# Altium PCB uSimar_PCB_V0.PcbDoc
Units mm, origin at the board's own origin, x right, y up, seen from the top; angles counter-clockwise.
Board outline 59.18 x 31.75 mm, 2 copper layers (Top Layer, Bottom Layer), stack 1.661 mm thick; 15 components, 17 nets, 126 pads, 21 vias.
Unrouted connection lines stored in the file: 2.
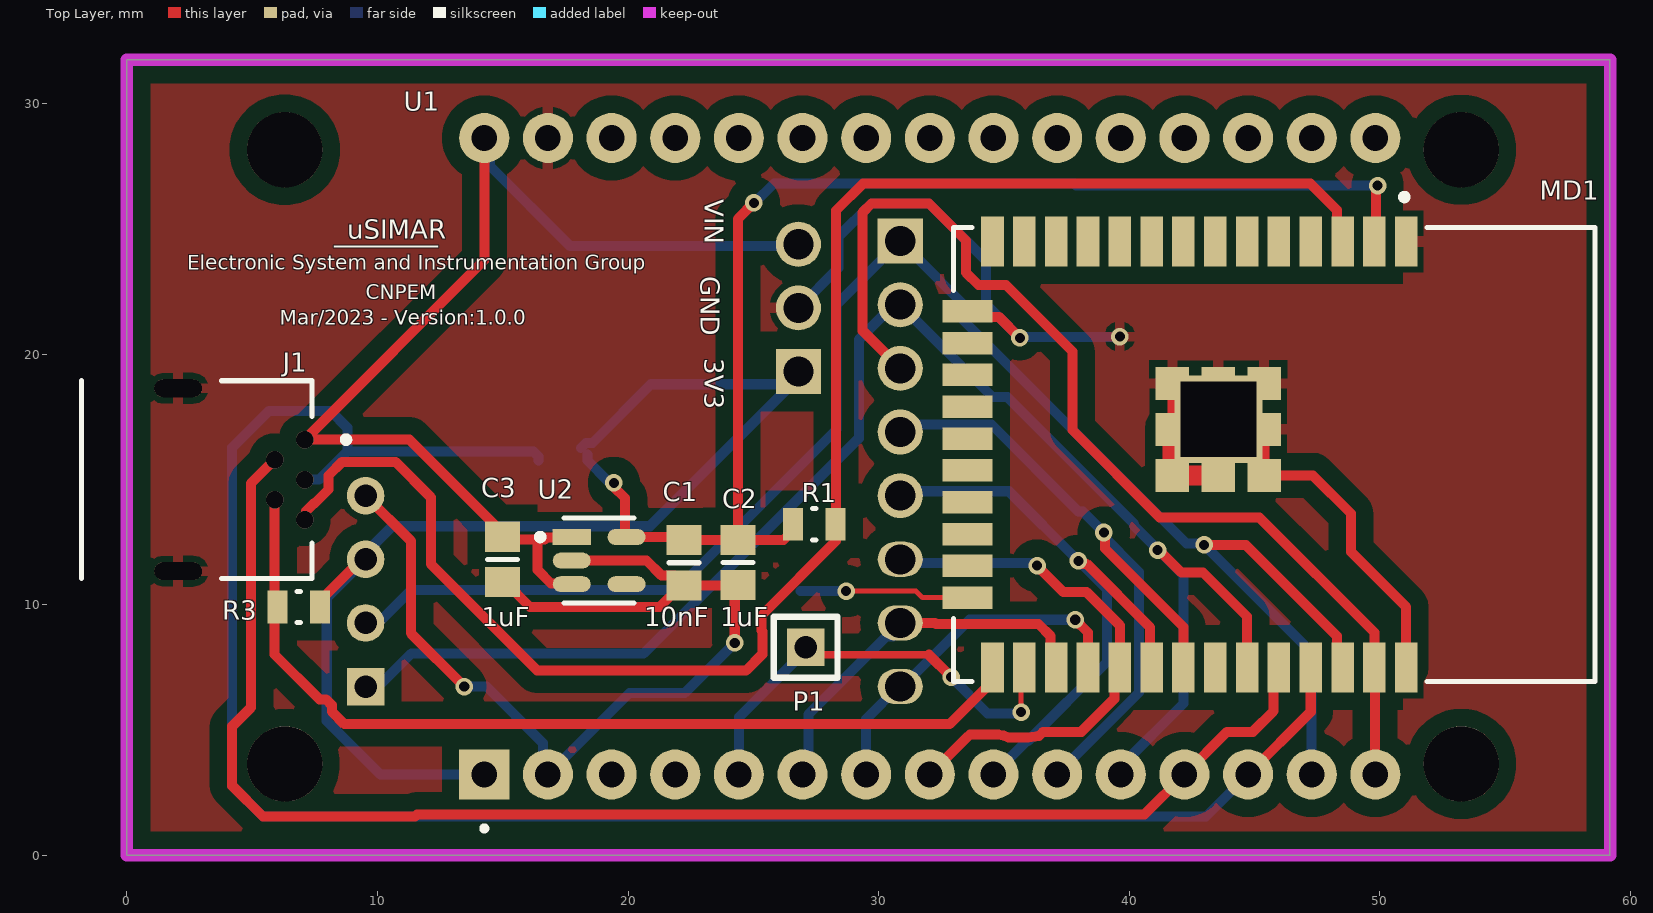
[diagram p0: Top Layer view]
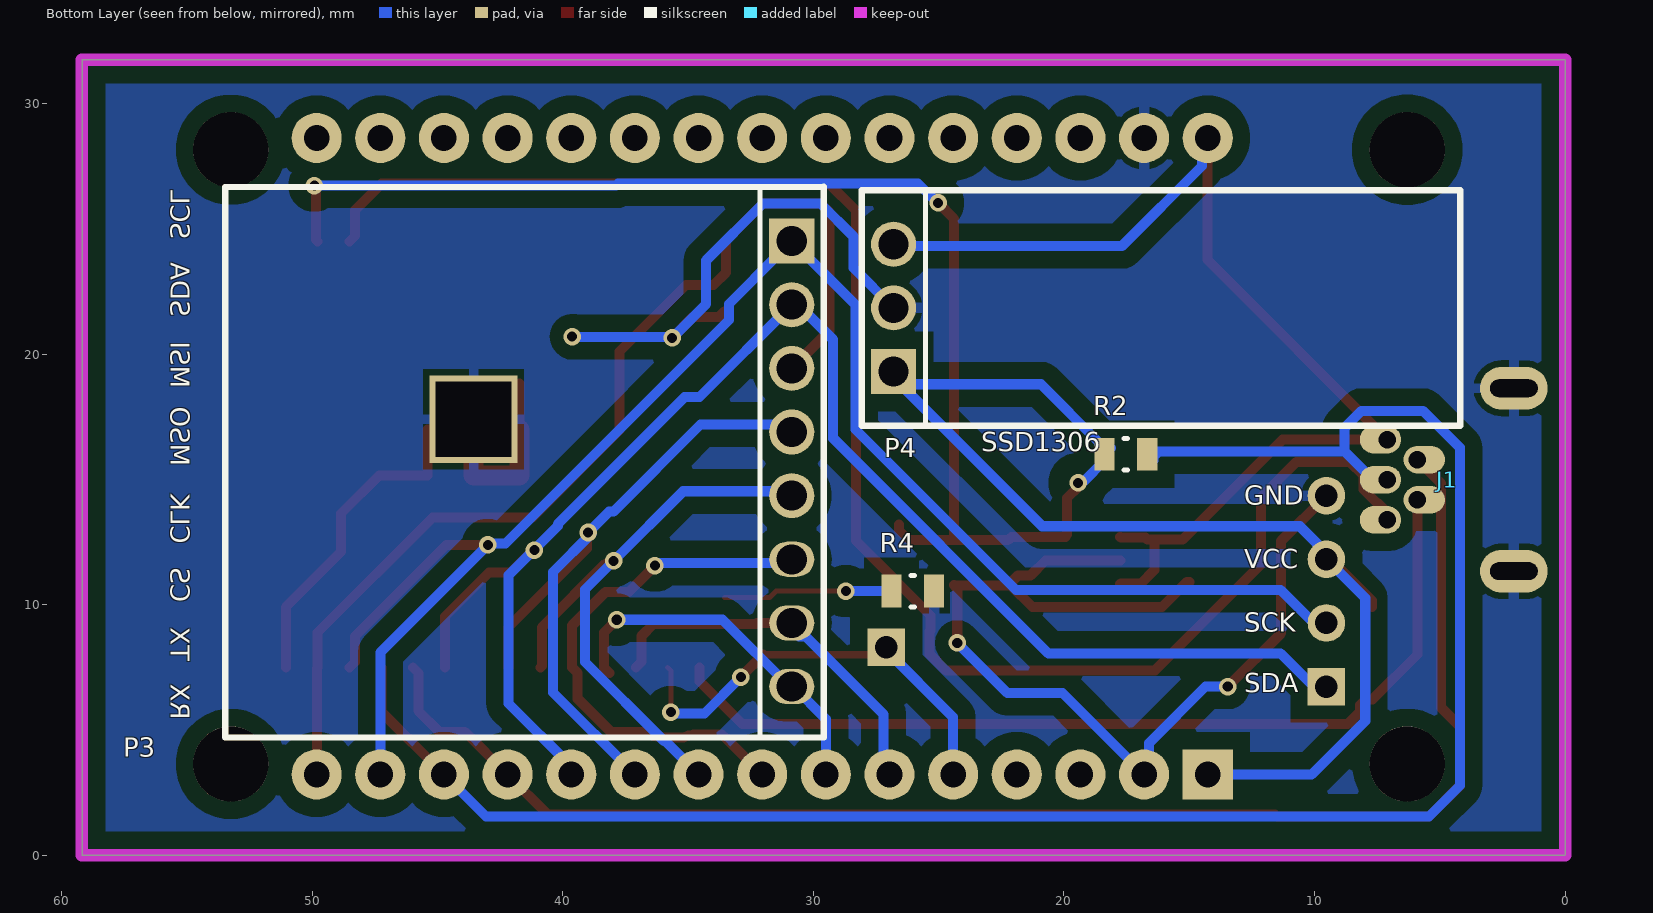
[diagram p1: Bottom Layer view, seen from below]
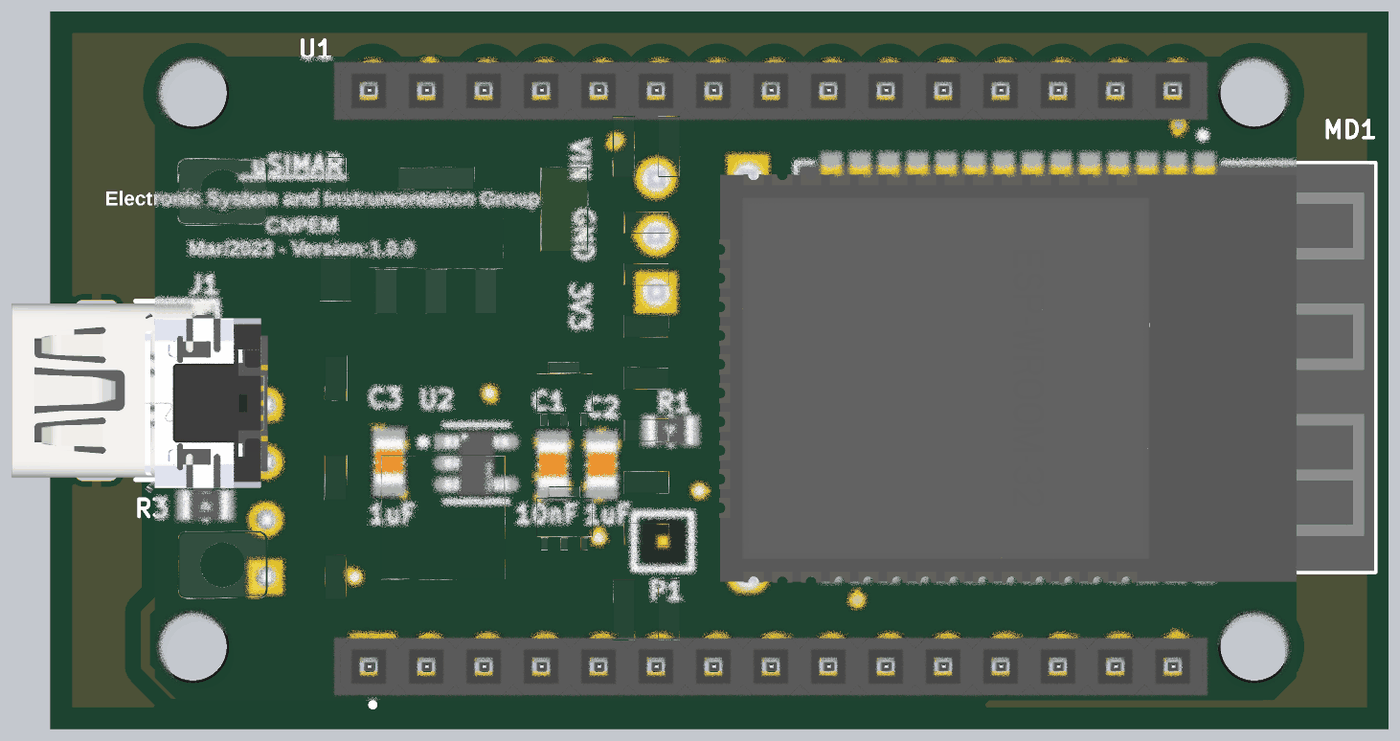
[diagram p2: 3D render of the assembled board from above, using the file's embedded part models]
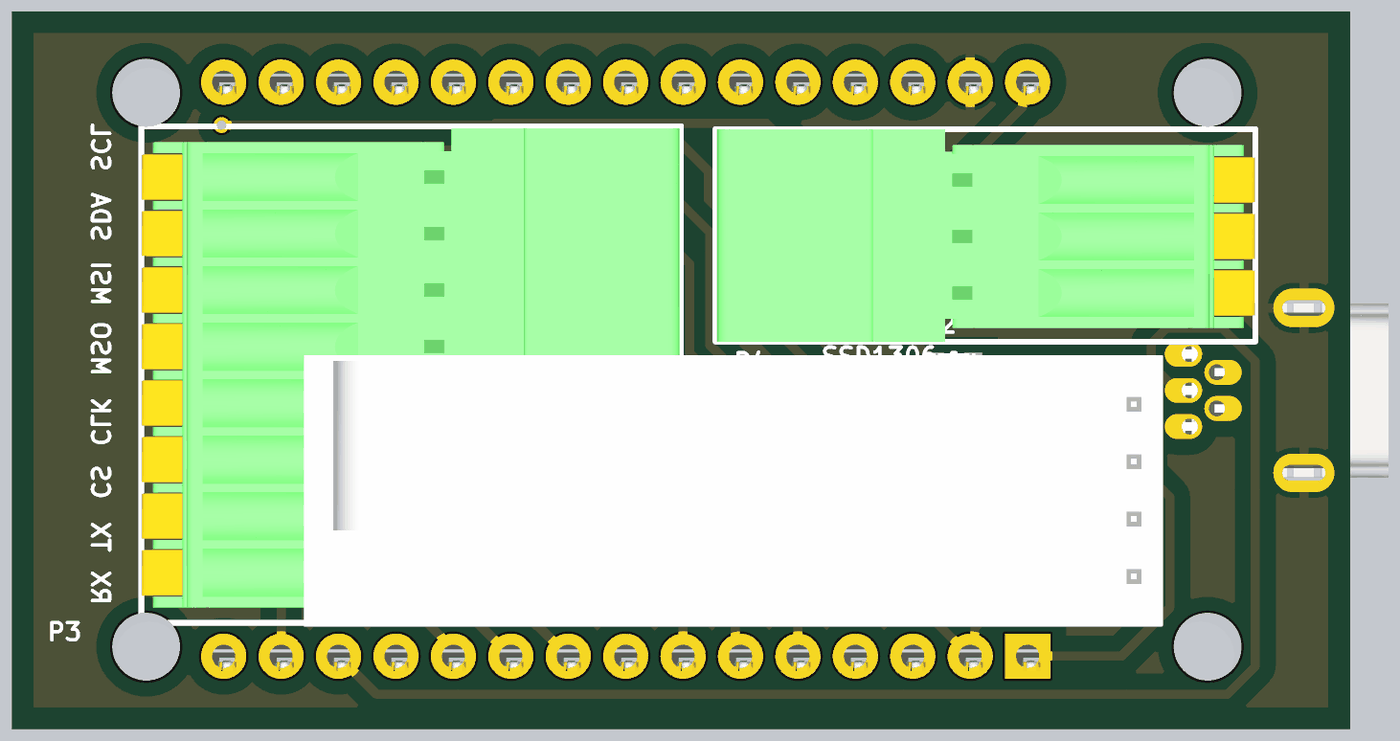
[diagram p3: 3D render of the assembled board from below, using the file's embedded part models]

## Layer stack, top to bottom
Top Solder: solder mask 0.0102, Solder Resist, Dk 3.5
Top Layer: signal copper 0.0356
Dielectric 1: dielectric 1.59, FR-4, Dk 4.8
Bottom Layer: signal copper 0.0356
Bottom Solder: solder mask 0.0102, Solder Resist, Dk 3.5

## Board outline
0,0 0,31.75 59.182,31.75 59.182,0

## Design rules (kind name [scope] priority, off if disabled: settings)
Clearance Clearance_Plans [InPolygon] p1: gap=0.7 ignorepadtopadclearanceinfootprint=TRUE
Clearance [All] p2: gap=0.4 ignorepadtopadclearanceinfootprint=TRUE
HoleSize [All] p1: absolutevalues=TRUE maxlimit=5 minlimit=0.4 maxpercent=80.000 minpercent=20.000
MinimumSolderMaskSliver [All] p1: minsoldermaskwidth=0.25
PlaneConnect [All] p1: planeconnectstyle=Relief reliefexpansion=0.508 reliefentries=2 reliefconductorwidth=0.254 reliefairgap=0.254
PolygonConnect [All] p1: connectstyle=Relief reliefconductorwidth=0.4 reliefentries=4 polygonreliefangle="90 Angle" airgapwidth=0.254
RoutingVias [All] p1: holewidth=0.7 width=1 viastyle="Through Hole" minholewidth=0.4 minwidth=0.7 maxholewidth=0.9 maxwidth=1.4
SilkToSilkClearance [All] p1: silktosilkclearance=0.15
SilkToSolderMaskClearance [IsPad] p1: minsilkscreentomaskgap=0.15 clearancetoexposedcopper=TRUE
SolderMaskExpansion [All] p1: expansion=0.102 istentingtop=FALSE
Width [All] p1: maxlimit=1.4 minlimit=0.2 preferedwidth=0.6 toplayer_prefwidth=0.4 bottomlayer_minwidth=0.4 minimp=50.000000 maximp=50.000000 favimp=50.000000
25 further rules are at their usual default settings.

## Components (designator, comment, footprint, x,y, rotation, side; value= is the part's Value field where it differs from the comment)
C1 "10nF" C_0805 22.225,11.673 r90 top
C2 "1uF" C_0805 24.384,11.684 r90 top
C3 "1uF" C_0805 14.986,11.811 r90 top
J1 "54819-0519" FP-54819-0519-MFG 2.794,14.986 r270 top
MD1 "ESP32-WROOM-32D" FP-ESP32-WROOM-32D-MFG 45.794,15.993 r270 top
P1 "'" HDR1X1 27.089,8.303 r0 top
P3 "'" HDR1X8 30.861,15.621 r270 bottom
P4 "'" HDR1X3 26.797,19.304 r90 bottom
R1 "10kΩ" FP-CRCW0805-e3-IPC_C 27.432,13.208 r0 top
R2 "10kΩ" FP-CRCW0805-e3-IPC_C 17.526,16.002 r180 bottom
R3 "10kΩ" FP-CRCW0805-e3-IPC_C 6.858,9.906 r180 top
R4 "10kΩ" FP-CRCW0805-e3-IPC_C 26.035,10.541 r0 bottom
SSD1306 "SSD1306" "SSD1306 128X32_wiyhout top opverlay" 8.025,4.541 r0 bottom
U1 "ESP32-DEVKIT-V1" MODULE_ESP32_DEVKIT_V1 26.729,15.923 r90 top
U2 "RT9080-33GJ5" FP-RT9080-33GJ5-IPC_B 18.846,11.76 r0 top

## Footprints (in the part's own frame and the unit in brackets; to place one, negate y for a bottom-side part, rotate by r counter-clockwise, add the part's x,y. Pads: shape width x height; smd on the part's side, far side on the other; paste and mask are expansions set on the pad)
C_0805 [mm] "Chip Capacitor, Body 2.0x1.2mm, IPC Medium Density"
  rect 1.2x1.4 smd: 1(-0.9,0) 2(0.9,0)
  silkscreen extent 0,-0.6 0,0.6, body extent -0.97,-0.62 1.02,0.62, height 0.8
FP-54819-0519-MFG [mm]
  rrect100% 1.1x1.65 smd far side paste-1000 mask+0: 1(-1.6,4.575) 2(-0.8,2.825) 3(0,4.575) 4(0.8,2.825) 5(1.6,4.575)
  rrect100% 0.7x1.9 hole 1.9 slot 0.7 at 0 deg paste-1000 mask+0: 6(-3.65,-0.75) 7(3.65,-0.75)
  rrect100% 1.7x2.7 smd far side paste-1000 mask+0: 6(-3.65,-0.75) 7(3.65,-0.75)
  silkscreen extent -3.95,-4.6 3.95,6.07, body extent -4.6,-4.7 4.6,5.5, height 0.25
FP-CRCW0805-e3-IPC_C [mil]
  rect 31.75x51.5 smd paste+0 mask+0: 1(-33.5,0) 2(33.5,0)
  silkscreen extent -3,-25 3,25, body extent -53,-31 53,31, height 10
FP-ESP32-WROOM-32D-MFG [mm]
  rect 2x0.9 smd paste+0 mask+0: 1(-8.5,5.26) 2(-8.5,3.99) 3(-8.5,2.72) 4(-8.5,1.45) 5(-8.5,0.18) 6(-8.5,-1.09) 7(-8.5,-2.36) 8(-8.5,-3.63) 9(-8.5,-4.9) 10(-8.5,-6.17) 11(-8.5,-7.44) 12(-8.5,-8.71) 13(-8.5,-9.98) 14(-8.5,-11.25) 25(8.5,-11.25) 26(8.5,-9.98) 27(8.5,-8.71) 28(8.5,-7.44) 29(8.5,-6.17) 30(8.5,-4.9) 31(8.5,-3.63) 32(8.5,-2.36) 33(8.5,-1.09) 34(8.5,0.18) 35(8.5,1.45) 36(8.5,2.72) 37(8.5,3.99) 38(8.5,5.26)
  rect 0.9x2 smd paste+0 mask+0: 15(-5.715,-12.25) 16(-4.445,-12.25) 17(-3.175,-12.25) 18(-1.905,-12.25) 19(-0.635,-12.25) 20(0.635,-12.25) 21(1.905,-12.25) 22(3.175,-12.25) 23(4.445,-12.25) 24(5.715,-12.25)
  rect 1.33x1.33 smd paste+0 mask+0: 39(-2.835,-0.405) 39(-2.835,-2.24) 39(-2.835,-4.075) 39(-1,-0.405) 39(-1,-2.24) 39(-1,-4.075) 39(0.835,-0.405) 39(0.835,-2.24) 39(0.835,-4.075)
  silkscreen extent -10.4,-12.8 9.05,12.8, body extent -9.6,-13.35 9.6,12.9, height 0.25
FP-RT9080-33GJ5-IPC_B [mm]
  rect 1.52x0.628 smd paste+0 mask+0: 1(-1.093,0.94)
  rrect100% 1.52x0.628 smd paste+0 mask+0: 2(-1.093,0) 3(-1.093,-0.94) 4(1.093,-0.94) 5(1.093,0.94)
  silkscreen extent -2.48,-1.7 1.4,1.7, body extent -2.1,-1.7 2.1,1.7, height 0.25
HDR1X1 [mm] "Connector; Header; 3 Position"
  rect 1.5x1.5 hole 0.9: 1(0,0)
  silkscreen extent -1.27,-1.22 1.27,1.22, body extent -0.98,-1.02 1.02,0.98, height 6.01
HDR1X3 [mm] "Connector; Header; 3 Position"
  rect 1.8x1.8 hole 1.2: 1(0,0)
  round 1.8 hole 1.2: 2(2.54,0) 3(5.08,0)
  silkscreen extent -2.16,-22.61 7.24,1.27, body extent -2.16,-22.59 7.24,1.21, height 11.75
HDR1X8 [mm] "Connector; Header; 5 Position"
  rect 1.8x1.8 hole 1.2: 1(-8.89,0)
  round 1.8 hole 1.2: 2(-6.35,0) 3(-3.81,0) 4(-1.27,0) 5(1.27,0)
  oval 1.4x1.8 hole 1.2: 6(3.81,0) 7(6.35,0) 8(8.89,0)
  silkscreen extent -11.05,-22.61 10.92,1.27, body extent -10.95,-22.59 10.95,1.21, height 11.75
MODULE_ESP32_DEVKIT_V1 [mm]
  rect 2x2 / inner round 2 / far side rect 2x2 hole 1.02: 1(-12.7,12.467)
  round 2 hole 1.02: 2(-12.7,9.927) 3(-12.7,7.387) 4(-12.7,4.847) 5(-12.7,2.307) 6(-12.7,-0.233) 7(-12.7,-2.773) 8(-12.7,-5.313) 9(-12.7,-7.853) 10(-12.7,-10.393) 11(-12.7,-12.933) 12(-12.7,-15.473) 13(-12.7,-18.013) 14(-12.7,-20.553) 15(-12.7,-23.093) 16(12.7,-23.093) 17(12.7,-20.553) 18(12.7,-18.013) 19(12.7,-15.473) 20(12.7,-12.933) 21(12.7,-10.393) 22(12.7,-7.853) 23(12.7,-5.313) 24(12.7,-2.773) 25(12.7,-0.233) 26(12.7,2.307) 27(12.7,4.847) 28(12.7,7.387) 29(12.7,9.927) 30(12.7,12.467)
  round 3 hole 3 unplated: ""(-12.28,20.427) ""(-12.28,-26.523) ""(12.23,20.427) ""(12.23,-26.523)
  silkscreen extent -14.95,12.37 -14.75,12.57, body extent -14.66,-28.39 13.84,22.54, height 16.1
"SSD1306 128X32_wiyhout top opverlay" [mm] "Connector; Header; 4 Position"
  rect 1.5x1.5 hole 0.9: 1(1.5,-2.19)
  round 1.5 hole 0.9: 2(1.5,-4.73) 3(1.5,-7.27) 4(1.5,-9.81)
  body extent 0.25,-12 38.25,0, height 15.31

## Part data
C1: library part C0805C103K2RACTU, "0805 C 10nF Ceramic Multilayer Capacitor; 200 VDC; +125degC; X7R Dielec; +/-10%", Case Code (Imperial)=0805, Case Code (Metric)=2012, Dielectric=X7R, Dielectric Material=Ceramic, Manufacturer=KEMET, Max Operating Temperature=125°C, Min Operating Temperature=-55°C, Package Quantity=4000, Supplier Part Number=1466276, Tolerance=10%, Voltage=200V, Case/Package=0805, Category="Ceramic Capacitors", ComponentLink1Description=https://datasheet.ciiva.com/22700/1851736-22700517.pdf?src-supplier=Element14, ComponentLink1URL=https://datasheet.ciiva.com/22700/1851736-22700517.pdf?src-supplier=Element14, ComponentLink2Description=https://datasheet.ciiva.com/28672/1851736-28672827.pdf?src-supplier=Element14, ComponentLink2URL=https://datasheet.ciiva.com/28672/1851736-28672827.pdf?src-supplier=Element14, Construction=Flat, Depth=1.25mm, Dissipation Factor=2.5%, Height=0.78mm, Lead Pitch=0.75mm, Length=2mm, Manufacturer Part Number=C0805C103K2RACTU, Mounting Technology="Surface Mount", Packaging="Tape and Reel", Pins=2, Pricing="4000=0,06100 (GBP)", Radiation Hardening=No, Reach SVHC Compliant=Yes, RoHS=Yes, RoHS Compliant=Yes, Series="SMD Comm X7R", Stock=83475, Supplier=Rs, Termination=SMD/SMT, Thickness=0.035inch, Voltage Rating=200V, Voltage Rating (DC)=200V, Width=1.2mm
C2 C3: library part C0805C105K4PACTU, "Cap Ceramic 1uF 16V X5R 10% SMD 0805 85C Plastic T/R", Case Code (Imperial)=0805, Case Code (Metric)=2012, Dielectric=X5R, Dielectric Material=Ceramic, Manufacturer=KEMET, Max Operating Temperature=85°C, Min Operating Temperature=-55°C, Package Quantity=2500, Tolerance=10%, Voltage=16V, Case/Package=0805, Category="Ceramic Capacitors", ComponentLink1Description=http://uk.rs-online.com/webdocs/13da/0900766b813daa10.pdf?src-supplier=Rs, ComponentLink1URL=http://uk.rs-online.com/webdocs/13da/0900766b813daa10.pdf?src-supplier=Rs, ComponentLink2Description=http://www.farnell.com/datasheets/2745930.pdf?src-supplier=Farnell, ComponentLink2URL=http://www.farnell.com/datasheets/2745930.pdf?src-supplier=Farnell, ComponentLink3Description=http://uk.rs-online.com/webdocs/13da/0900766b813daa0f.pdf?src-supplier=Rs, ComponentLink3URL=http://uk.rs-online.com/webdocs/13da/0900766b813daa0f.pdf?src-supplier=Rs, ComponentLink4Description=http://components.arrow.com/part/dataview/43037300S8313636N7429?src-supplier=Arrow+Electronics, ComponentLink4URL=http://components.arrow.com/part/dataview/43037300S8313636N7429?src-supplier=Arrow+Electronics, ComponentLink5Description=http://www.farnell.com/datasheets/2745930.pdf?src-supplier=Newark, ComponentLink5URL=http://www.farnell.com/datasheets/2745930.pdf?src-supplier=Newark, ComponentLink6Description=https://search.kemet.com/component-edge/download/datasheet/C0805C105K4PAC.pdf?src-supplier=Allied+Electronics, ComponentLink6URL=https://search.kemet.com/component-edge/download/datasheet/C0805C105K4PAC.pdf?src-supplier=Allied+Electronics, ComponentLink7Description=http://www.farnell.com/datasheets/2745930.pdf?src-supplier=Element14, ComponentLink7URL=http://www.farnell.com/datasheets/2745930.pdf?src-supplier=Element14, ComponentLink8Description=https://www.verical.com/server-webapp/html/getDatasheet?partID=127986&src-supplier=Verical, ComponentLink8URL=https://www.verical.com/server-webapp/html/getDatasheet?partID=127986&src-supplier=Verical, ComponentLink9Description=https://search.kemet.com/component-edge/download/datasheet/C0805C105K4PAC.pdf?src-supplier=Mouser, ComponentLink9URL=https://search.kemet.com/component-edge/download/datasheet/C0805C105K4PAC.pdf?src-supplier=Mouser, ComponentLink10Description=https://api.kemet.com/component-edge/download/datasheet/C0805C105K4PAC.pdf?src-supplier=Digi-Key, ComponentLink10URL=https://api.kemet.com/component-edge/download/datasheet/C0805C105K4PAC.pdf?src-supplier=Digi-Key, ComponentLink11Description=https://search.kemet.com/component-edge/download/datasheet/C0805C105K4PAC.pdf?src-supplier=Avnet, ComponentLink11URL=https://search.kemet.com/component-edge/download/datasheet/C0805C105K4PAC.pdf?src-supplier=Avnet, ComponentLink12Description=http://www.kemet.com/Lists/ProductCatalog/Attachments/19/KEM_C1006_X5R_SMD.pdf?src-supplier=Avnet, ComponentLink12URL=http://www.kemet.com/Lists/ProductCatalog/Attachments/19/KEM_C1006_X5R_SMD.pdf?src-supplier=Avnet, ComponentLink13Description=http://www.farnell.com/datasheets/1824493.pdf?src-supplier=Newark, ComponentLink13URL=http://www.farnell.com/datasheets/1824493.pdf?src-supplier=Newark, ComponentLink14Description=https://search.kemet.com/component-edge/download/datasheet/C0805C105K4PAC.pdf?src-supplier=TTI, ComponentLink14URL=https://search.kemet.com/component-edge/download/datasheet/C0805C105K4PAC.pdf?src-supplier=TTI, Construction=Flat, Depth=1.25mm, Dissipation Factor=5%, Height=1.25mm, Lead Free="Lead Free", Length=2mm, Manufacturer Part Number=C0805C105K4PACTU, Mounting Technology="Surface Mount,PCB", Packaging="Tape and Reel", Pricing="2500=0,03220, 5000=0,03190, 10000=0,03150, 25000=0,02930, 30000=0,02810, 50000=0,02590 (USD)", Radiation Hardening=No, Reach SVHC Compliant=Yes, RoHS=Yes, RoHS Compliant=Yes, Series=C0805C, Stock=30000, Supplier="Arrow Electronics", Supplier Part Number=C0805C105K4PACTU, Termination=SMD/SMT, Thickness=0.055inch, Voltage Rating=16V, Voltage Rating (DC)=16V, Width=1.2mm
J1: library part CMP-04767-000009-1, "CONN RCPT USB2.0 MINI B 5P R/A", Color=Black, Contact Resistance=50mR, Current Rating=1A, Flammability Rating="UL94 V-0", Insulation Resistance=100MR, Max Operating Temperature=50°C, Min Operating Temperature=0°C, Package Quantity=3600, Voltage Rating=30V, Connector Type=USB, Contact Material="Copper Alloy", Contact Plating=Gold, Data Rate=480Mbps, Depth=9mm, Features=Shielded, Gender=Receptacle, Housing Color=Black, Housing Material=Polyamide, Lead Free="Lead Free", Length=7.7mm, Max Current Rating=1A, Mount="Through Hole", Number of Circuits=5, Number of Contacts=5, Number of Ports=1, Number of Positions=5, Number of Rows=1, Number of Terminals/Pins=5, Orientation="Right Angle", Packaging=Tray, Pitch=0.8mm, Radiation Hardening=No, Series=54819, Termination=Solder, USB Standard="USB 2.0", Voltage Rating (DC)=30V, Width=6.9mm, Working Voltage=30V
MD1: library part CMP-194065-000003-1, "WIFI MODULE 32MBITS SPI FLASH", Manufacturer="Espressif Systems", Max Frequency=2484MHz, Max Supply Voltage=3.6V, Min Supply Voltage=3V, Nominal Supply Current=500mA, Temperature="-40°C to +85°C", Temperature Range High=+85°C, Temperature Range Low=-40°C, Automotive=No, Bandwidth=72MHz, Category=UNK, ComponentLink2Description=Datasheet, ComponentLink2URL=https://www.espressif.com/sites/default/files/documentation/esp32-wroom-32d_esp32-wroom-32u_datasheet_en.pdf, Data Rate=150Mbits/s, Device Class L1="Integrated Circuits (ICs)", Device Class L2="RF Semiconductors and Devices", Device Class L3=Transceivers, Digikey Description="WIFI MODULE 32MBITS SPI FLASH", Height=3.2mm, Interface=I2C,SPI,UART,Ethernet,I2S,Other, Lead Free=Yes, Manufacturer Part Number=ESP32-WROOM-32D, Mouser Description="Wi-Fi/BT BLE Module ESP32-D0WD, SPI Flash, UART, P", Number Of Adc Channels=16, Number Of Gpio=32, Octopart=https://octopart.com/esp32-wroom-32d-espressif+systems-91040050, Package=ESP32-WROOM-32D, RoHS=TRUE, Sensitivity=-98dBm
P1: library part "Header 1", "Header, 1-Pin"
P3: library part "Header 8", "Header, 8-Pin"
P4: library part "Header 3", "Header, 3-Pin"
R1 R2 R3 R4: library part CMP-2001-04908-2, "RES Thick Film, 10kΩ, 1%, 0.125W, 100ppm/°C, 0805", Case Code (Imperial)=0805, Case Code (Metric)=2012, Max Operating Temperature=155°C, Min Operating Temperature=-55°C, Package Quantity=5000, Power Rating=125mW, Resistance=10kR, Temperature Coefficient=100ppm/°C, Tolerance=1%, Voltage Rating=150V, Case/Package=0805, Composition="Thick Film", Contact Plating=Tin, Depth=1.25mm, Height=0.45mm, Lead Free="Lead Free", Length=2mm, Military Standard=Not, Packaging="Tape and Reel", Radiation Hardening=No, Termination=SMD/SMT, Voltage Rating (DC)=150V, Weight=0.000194oz, Width=1.25mm
U1: "Dual core, Wi-Fi: 2.4 GHz up to 150 Mbits/s,BLE (Bluetooth Low Energy) and legacy Bluetooth, 32 bits, Up to 240 MHz", Package=None, Availability="Not in stock", Check_prices=https://www.snapeda.com/parts/ESP32-DEVKIT-V1/Do+it/view-part/?ref=eda, MF="Do it", MP=ESP32-DEVKIT-V1, Price=None, SnapEDA_Link=https://www.snapeda.com/parts/ESP32-DEVKIT-V1/Do+it/view-part/?ref=snap
U2: library part CMP-79890-000003-1, "IC REG LIN 3.3V 600MA TSOT23-5", Case/Package=SOT-23-5, Dropout Voltage=530mV, Max Input Voltage=5.5V, Max Operating Temperature=85°C, Min Operating Temperature=-40°C, Min Output Voltage=3.3V, Output Current=600mA, Power Supply Rejection Ratio (PSRR)=75dB, Quiescent Current=4uA, Mount="Surface Mount", Number of Regulators=1, Output Configuration=Positive, Output Type=Fixed, Packaging="Cut Tape", RoHS Compliant=Yes

## Free pads (board coordinates)
  rect 3.5x3.5 hole 3 square: 1(43.561,17.399)

## Via types
v1: diameter 0.7, hole 0.4, Top Layer to Bottom Layer, 16 vias
v2: diameter 0.7, hole 0.7, Top Layer to Bottom Layer, 5 vias

## Nets (pads, with @x,y where several pads share a name; then routed paths per layer and width w, separated by ;. In a path a pad name is that pad's centre, name@x,y a point inside that pad or via, vN(x,y) a via of type N, cw(c..) or ccw(c..) an arc to the next point about the centre after c; other vN are vias at no path point)
3V3: C1.2 C2.2 MD1.2 P4.1 R1.1 R2.1 R3.1 SSD1306.3 U1.1 U2.5 | length 99.2
  Top Layer w0.4: R3.1 7.709,10.157 9.363,11.811 SSD1306.3 ; v1(19.431,14.859) 19.431,14.697 19.875,14.252 19.875,12.806 19.939,12.742 U2.5 22.098,12.7 C1.2 24.373,12.573 C2.2 ; v1(25.019,26.035) 24.384,25.4 C2.2 ; R1.1 26.581,12.957 26.208,12.584 C2.2 ; MD1.2 49.849,24.558 49.849,26.66 v1(49.914,26.725)
  Bottom Layer w0.4: U1.1 10.112,3.223 7.975,5.36 7.975,10.261 SSD1306.3 9.525,12 9.875,12.35 9.875,12.415 10.589,13.129 20.866,13.129 P4.1@26.411,18.674 ; R2.1@18.124,16.254 18.326,16.456 18.577,16.456 20.917,18.796 26.289,18.796 P4.1 ; R2.1 18.377,15.751 19.212,14.916 19.374,14.916 v1(19.431,14.859) ; v1(25.019,26.035) 25.051,26.035 25.827,26.811 37.787,26.811 37.873,26.725 v1(49.914,26.725)
EN: J1.5 MD1.3 R1.2 | length 66.2
  Top Layer w0.4: v2(7.094,13.386) 7.151,13.443 7.151,13.731 7.456,14.036 7.488,14.036 8.044,14.592 8.044,15.156 8.589,15.701 10.715,15.701 12.13,14.286 12.13,11.619 16.375,7.373 24.713,7.373 25.357,8.017 25.357,8.929 25.322,8.964 25.322,9.573 28.297,12.548 28.297,25.727 29.381,26.811 47.225,26.811 48.294,25.742 48.294,24.713 MD1.3
GND: C1.1 C2.1 C3.1 J1.6 J1.7 MD1.1 MD1.15 MD1.38 MD1.39 P4.2 pad.1 R4.1 SSD1306.4 U1.2 U1.29 U2.2 | length 85
  Top Layer w0.4: SSD1306.4 11.33,12.546 11.33,8.863 v1(13.462,6.731) ; C3.1 15.086,10.911 16.09,9.907 21.259,9.907 22.125,10.773 C1.1 ; U2.2 20.738,11.76 21.325,11.173 21.825,11.173 C1.1 ; v1(24.257,8.473) 24.257,10.657 C2.1@24.373,10.773 ; C2.1 C2.1@24.373,10.773 ; MD1.15 33.764,21.488 34.793,21.488 v1(35.633,20.647) ; MD1.39@41.719,16.993 MD1.39@41.719,18.828 ; pad.1@43.554,16.993 45.389,16.993 45.389,15.158 47.326,15.158 48.85,13.634 48.85,12.11 51.054,9.906 MD1.38 ; C1.1 C2.1@24.373,10.773
  Top Layer w0.8: MD1.39@41.719,16.993 41.719,15.158 43.554,15.158 pad.1@43.554,16.993
  Bottom Layer w0.4: v1(13.462,6.731) 14.351,6.731 16.599,4.483 16.599,3.426 U1.2 20.056,6.477 22.261,6.477 v1(24.257,8.473) ; P4.2 28.389,23.436 28.389,24.687 29.712,26.011 32.01,26.011 34.277,23.743 34.277,22.003 v1(35.633,20.647) 35.687,20.701 35.714,20.674 39.597,20.674 v1(39.624,20.701)
GPIO0: J1.4 MD1.25 R3.2 | length 37.4
  Top Layer w0.4: v2(5.894,14.186) 5.894,8.013 7.684,6.223 7.941,6.223 8.175,5.989 8.175,5.732 8.676,5.231 32.832,5.231 34.544,6.943 MD1.25
GPIO2: MD1.24 R4.2 | length 6.8
  Top Layer w0.2: v1(28.702,10.541) 31.488,10.541 31.751,10.278 MD1.24
  Bottom Layer w0.4: R4.2 v1(28.702,10.541)
IO_BUTTON: MD1.26 P1.1 U1.5 | length 17.8
  Top Layer w0.2: v1(35.687,5.715) 35.687,7.366 MD1.26
  Top Layer w0.3: P1.1@27.391,8.001 32.004,8.001
  Top Layer w0.4: P1.1 P1.1@27.461,7.931 ; 32.004,8.001 v1(32.893,7.112)
  Bottom Layer w0.4: U1.5 24.422,5.509 P1.1@27.152,8.24 ; v1(32.893,7.112) 34.348,5.657 34.748,5.657 ; 34.749,5.658 35.63,5.658 v1(35.687,5.715)
RXD0: J1.2 MD1.34 U1.12 | length 59.4
  Top Layer w0.4: v2(5.894,15.786) 4.944,14.836 4.944,5.89 4.202,5.148 4.202,2.773 5.432,1.543 11.505,1.543 11.585,1.623 40.602,1.623 U1.12 43.905,4.926 44.931,4.926 45.754,5.749 45.754,7.273 MD1.34
SCL: MD1.36 P3.1 SSD1306.2 U1.14 | length 66.8
  Top Layer w0.4: v1(42.989,12.383) 44.653,12.383 48.294,8.742 48.294,7.713 MD1.36
  Bottom Layer w0.4: SSD1306.2@10.033,9.271 11.351,10.589 21.917,10.589 28.321,16.993 28.321,21.971 30.48,24.13 P3.1@30.861,24.13 ; P3.1 30.861,24.003 31.369,24.003 33.369,22.003 33.369,21.356 37.798,16.926 42.285,12.44 42.932,12.44 47.282,8.09 U1.14
SDA: MD1.33 P3.2 SSD1306.1 U1.11 | length 61
  Top Layer w0.4: v1(41.132,12.176) 41.183,12.176 42.077,11.282 42.947,11.282 44.704,9.525 MD1.33
  Bottom Layer w0.4: SSD1306.1@10.033,6.731 11.351,8.049 20.622,8.049 29.21,16.637 29.21,20.574 30.607,21.971 P3.2 34.546,18.286 35.133,18.286 40.196,13.223 40.196,13.144 v1@41.148,12.192 ; U1.11 39.662,3.551 42.164,6.053 42.164,11.176 41.164,12.176 v1(41.132,12.176)
TXD0: J1.3 MD1.35 R2.2 U1.13 | length 77
  Top Layer w0.4: U1.13 47.244,5.725 MD1.35
  Bottom Layer w0.4: v2(7.094,14.986) J1.3 7.67,14.986 8.794,16.11 ; R2.2@16.421,15.748 16.421,15.906 16.218,16.11 8.794,16.11 ; U1.13 43.062,1.543 5.432,1.543 4.194,2.781 4.194,16.262 5.668,17.736 8.12,17.736 8.794,17.062 8.794,16.11
UART2_RX: MD1.27 P3.7 U1.6 | length 15.9
  Top Layer w0.4: P3.7 32.252,9.271 32.295,9.228 36.378,9.228 36.864,8.742 36.864,7.713 MD1.27
  Bottom Layer w0.4: U1.6 27.192,3.453 27.192,5.622 30.303,8.733 30.565,8.733 31.278,9.446 P3.7@31.407,9.446
UART2_TX: MD1.28 P3.8 U1.7 | length 14.6
  Top Layer w0.4: v1(37.846,9.398) 37.846,9.395 38.354,8.887 MD1.28 MD1.28@38.134,7.273
  Bottom Layer w0.4: U1.7 29.502,5.439 30.794,6.731 30.956,6.731 33.623,9.398 v1(37.846,9.398)
VIN: C3.2 J1.1 P4.3 U1.30 U2.1 U2.3 | length 45.6
  Top Layer w0.4: U1.30 14.262,23.754 v2(7.094,16.586) 11.276,16.586 15.267,12.595 16.256,12.595 ; U2.3 17.727,10.846 16.928,10.846 16.393,11.382 16.393,12.458 16.256,12.595 ; U2.1 17.727,12.675 16.747,12.675 16.667,12.595 16.256,12.595
  Bottom Layer w0.4: U1.30 14.492,28.393 14.492,27.504 17.691,24.305 P4.3@27.343,24.305
VSPI_CLK: MD1.30 P3.5 U1.9 | length 24.2
  Top Layer w0.4: v1(37.973,11.745) 38.088,11.631 38.3,11.631 40.838,9.093 40.838,7.549 MD1.30
  Bottom Layer w0.4: P3.5@31.402,14.526 35.192,14.526 v1(37.973,11.745) 39.116,10.602 39.116,7.715 35.967,4.566 35.925,4.566 U1.9
VSPI_CS: MD1.29 P3.6 U1.8 | length 20.9
  Top Layer w0.4: U1.8 33.525,4.706 33.642,4.823 34.582,4.823 cw(c34.582,3.223) 35.181,4.707 35.963,4.707 36.401,4.765 36.518,4.882 36.562,4.926 38.085,4.926 39.404,6.244 39.404,7.273 MD1.29 39.624,9.176 38.302,10.498 37.381,10.498 v1(36.322,11.557)
  Bottom Layer w0.4: P3.6@31.329,11.85 31.508,11.672 v1@36.207,11.672
VSPI_MISO: MD1.31 P3.4 U1.10 | length 27.7
  Top Layer w0.4: v1(38.984,12.879) 39.032,12.831 39.032,12.244 42.164,9.112 MD1.31
  Bottom Layer w0.4: P3.4@31.407,17.186 34.503,17.186 37.978,13.711 38.152,13.711 v1(38.984,12.879) ; U1.10 37.122,3.229 40.386,6.493 40.386,11.303 v1@38.862,12.827
VSPI_MOSI: MD1.37 P3.3 U1.15 | length 43.6
  Top Layer w0.4: P3.3 29.361,20.931 29.361,25.66 29.712,26.011 32.01,26.011 33.488,24.533 33.488,23.251 33.98,22.758 35.078,22.758 37.731,20.105 37.731,16.967 41.216,13.483 45.191,13.483 49.784,8.89 MD1.37 49.803,7.474 49.803,3.242 U1.15
  Bottom Layer w0.4: U1.15@49.592,3.961 49.592,3.453 U1.15
pads on no net: MD1.4 MD1.5 MD1.6 MD1.7 MD1.8 MD1.9 MD1.10 MD1.11 MD1.12 MD1.13 MD1.14 MD1.16 MD1.17 MD1.18 MD1.19 MD1.20 MD1.21 MD1.22 MD1.23 MD1.32 U1. U1.3 U1.4 U1.16 U1.17 U1.18 U1.19 U1.20 U1.21 U1.22 U1.23 U1.24 U1.25 U1.26 U1.27 U1.28 U2.4

## Polygon pours and split planes (outlines as drawn)
GND on Top Layer "GND_L01_P001" (solid, pour order 1): 0.191,31.623 0.191,0.127 59.309,0.127 59.309,31.623
GND on Bottom Layer "GND_L02_P000" (solid, pour order 0): 0.191,31.75 0.191,0 59.182,0 59.182,31.75

## Keep-outs
Keep-Out Layer:
  lines w0.5: 0,0 59.2,0 59.2,31.75 0,31.75 0,0

## Silkscreen, mask and mechanical layers (free items; w line width, h text height)
Top Overlay:
  text "VIN" at 23.052,26.183 h0.76 r270
  text "uSIMAR" at 8.79,24.606 h0.76
  text "________" at 8.282,24.484 h0.76
  text "Electronic System and Instrumentation Group" at 2.413,23.176 h1
  text "GND" at 22.898,23.099 h0.76 r270
  text "CNPEM" at 9.525,21.982 h1
  text "Mar/2023 - Version:1.0.0" at 6.096,20.967 h1
  text "3V3" at 23.052,19.833 h0.76 r270
Bottom Overlay:
  text "SCL" at 55.637,24.586 h0.76 r90
  text "SDA" at 55.637,21.484 h0.76 r90
  text "MSI" at 55.637,18.635 h0.76 r90
  text "MSO" at 55.637,15.533 h0.76 r90
  text "CLK" at 55.637,12.431 h0.76 r90
  text "CS" at 55.637,10.09 h0.76 r90
  text "TX" at 55.637,7.75 h0.76 r90
  text "RX" at 55.637,5.409 h0.76 r90

## Text inside footprints (layer, text, board x,y; h text height)
SSD1306: Bottom Overlay "SDA" at 12.8,6.504 h0.76; Bottom Overlay "SCK" at 12.8,8.917 h0.76; Bottom Overlay "VCC" at 12.8,11.457 h0.76; Bottom Overlay "GND" at 12.8,13.997 h0.76